# Altium PCB n21-evt.PcbDoc (part 1 of 3) (continued)
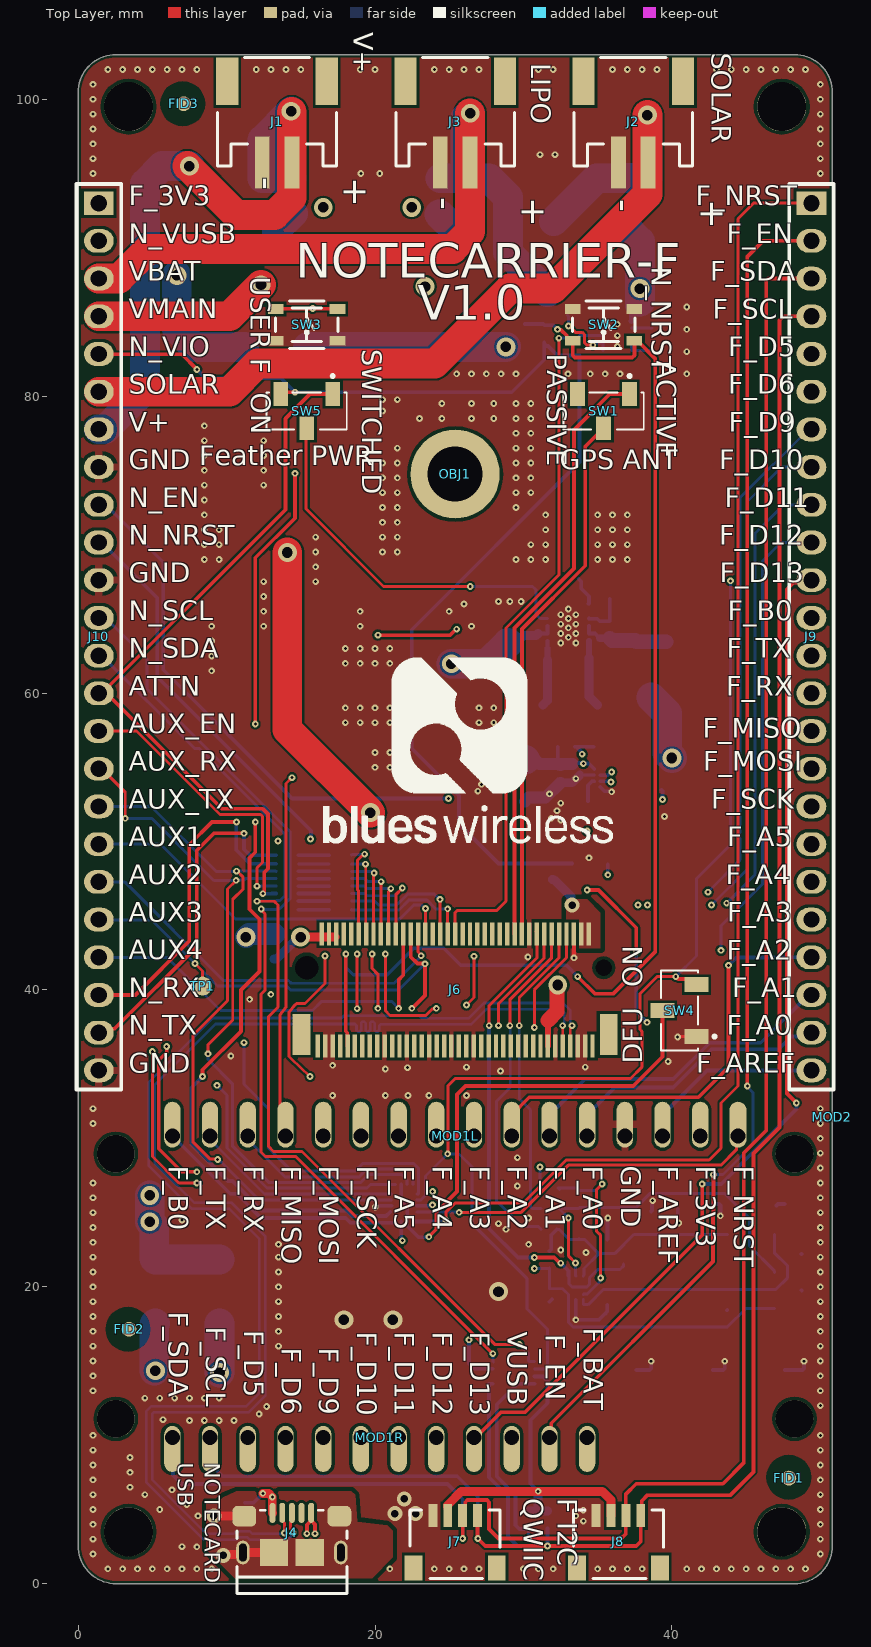
[diagram p0: Top Layer view]
## Components (designator, comment, footprint, x,y, rotation, side; value= is the part's Value field where it differs from the comment) (continued)
SW2 "PTS810SJK250SMTRLFS" "C&K PTS810" 35.4,84.8 r180 top
SW3 "PTS810 SJM 250 SMTR LFS" "C&K PTS810" 15.4,84.8 r180 top locked
SW4 "CJS-1200TA" SW_CJS-1200TA 40.513,38.608 r90 top
SW5 "CJS-1200TA" SW_CJS-1200TA 15.4,78.994 r180 top locked
TP1 "TESTPAD" TESTPAD_127 8.382,40.259 r90 top
TVS1 "SM6T6V8A" SMB 19.685,91.059 r90 bottom
TVS2 "PESD5V0L5UV,125" SOT666 33.528,19.939 r180 bottom
U1 "TPS62748YFPT" TPS62748YFPT-DSBGA4x2 35.179,54.864 r180 bottom
U2 "BQ24210DQCT" WSON10-EXP 36.322,84.074 r180 bottom
U3 "TPS63020DSJR" "TI PVSON-14 DSJ" 33.02,64.516 r180 bottom
U4 "TXS0102DCUR" SOP50P310X90-8N 29.337,14.224 r0 bottom
U5 "MAX17225ELT+" MAX17225ELT+UDFN 36.337,48.462 r90 bottom
U6 "DGQ2788AEN-T1-GE4" QFN40P260X180X60-16N 21.971,25.654 r0 bottom

## Footprints (in the part's own frame and the unit in brackets; to place one, negate y for a bottom-side part, rotate by r counter-clockwise, add the part's x,y. Pads: shape width x height; smd on the part's side, far side on the other; paste and mask are expansions set on the pad)
12PIN_254MM [mm]
  rrect100% 1.1x3.1 hole 1 copper offset 0,0.762: 1(0,0) 2(2.54,0) 3(5.08,0) 4(7.62,0) 5(10.16,0) 6(12.7,0) 7(15.24,0) 8(17.78,0) 9(20.32,0) 10(22.86,0) 11(25.4,0) 12(27.94,0)
  body extent -1.27,-1.52 29.21,1.52, height 5.09
16PIN_254MM [mm]
  rrect100% 1.16x3.1 hole 1 copper offset 0,-0.762: 1(0,0)
  rrect100% 1.1x3.1 hole 1 copper offset 0,-0.762: 2(2.54,0) 3(5.08,0) 4(7.62,0) 5(10.16,0) 6(12.7,0) 7(15.24,0) 8(17.78,0) 9(20.32,0) 10(22.86,0) 11(25.4,0) 12(27.94,0) 13(30.48,0) 14(33.02,0) 15(35.56,0) 16(38.1,0)
  body extent -1.27,-1.52 39.37,1.52, height 5.09
1285AS-H-2R2M=P2-INDC2016X100N [mm]
  rect 1.2x1.82 smd: 1(-0.86,0) 2(0.86,0)
  body extent -1,-0.8 1,0.8, height 1.2
BLUES_WIRELESS_SWAN_2-54_HEADERS [mm]
"C&K PTS810" [mm] "T-Switch, 4-leads, body 4.2x3.2mm, C&K PTS810 SJM 250 SMTR LFS"
  rect 1.05x0.65 smd mask+0.1: 1(-2.075,1.075) 2(2.075,1.075) 3(-2.075,-1.075) 4(2.075,-1.075)
  silkscreen extent -2.1,-1.6 2.1,1.6, body extent -2.29,-1.6 2.29,1.6, height 2.7
"CAP 0402_1005" [mm] "Chip Capacitor, 2-Leads, Body 1.02x0.51mm, IPC Medium Density"
  rect 0.6x0.64 smd: 1(-0.44,0) 2(0.44,0)
  silkscreen extent -1,-0.5 1,0.5, body extent -0.5,-0.26 0.5,0.26, height 0.52
"CAP 0603_1608" [mm] "Chip Capacitor, 2-Leads, Body 1.60x0.80mm, IPC Medium Density"
  rect 0.9x1 smd: 1(-0.675,0) 2(0.675,0)
  silkscreen extent -1.4,-0.7 1.4,0.7, body extent -0.8,-0.41 0.8,0.41, height 0.82
"CAP 1206_3216 - 0.8MM" [mm] "Chip Capacitor, 2-Leads, Body 3.25x1.60mm, IPC Medium Density"
  rect 1.3x1.8 smd: 1(-1.45,0) 2(1.45,0)
  silkscreen extent -2.37,-1.12 2.37,1.12, body extent -1.6,-0.8 1.6,0.8, height 0.8
"CAP 1210_3225 - 2.8MM" [mm] "Chip Capacitor, 2-Leads, Body 3.20x2.50mm, IPC Medium Density"
  rect 1.3x2.7 smd: 1(-1.4,0) 2(1.4,0)
  silkscreen extent -2.37,-1.63 2.37,1.63, body extent -1.6,-1.25 1.6,1.25, height 2.8
"CAP FILM 0805" [mm] "J2, Film Capacitor PPS , 2-Leads, Body 2.00x1.25mm, IPC Medium Density"
  rect 0.85x1.1 smd: 1(-0.925,0) 2(0.925,0)
  silkscreen extent -1.55,-0.82 1.55,0.82, body extent -1,-0.62 1,0.62, height 1.2
CES-124-01-S-S [mm] "24x1 0.1\" female headers"
  rect 2x1.6 hole 1.1: 1(0,0)
  oval 2x1.6 hole 1.1: 2(0,-2.54) 3(0,-5.08) 4(0,-7.62) 5(0,-10.16) 6(0,-12.7) 7(0,-15.24) 8(0,-17.78) 9(0,-20.32) 10(0,-22.86) 11(0,-25.4) 12(0,-27.94) 13(0,-30.48) 14(0,-33.02) 15(0,-35.56) 16(0,-38.1) 17(0,-40.64) 18(0,-43.18) 19(0,-45.72) 20(0,-48.26) 21(0,-50.8) 22(0,-53.34) 23(0,-55.88) 24(0,-58.42)
  silkscreen extent -1.5,-59.7 1.5,1.3, body extent -1.52,-59.7 1.52,1.26, height 5.09
DIST-WASMSIM0250 [mm]
  round 6 / inner round 1.524 / far side round 6 hole 3.7: 1(0,0)
  body extent -2.55,-2.55 2.55,2.55, height 2.5
"DO214AA SMB" [mm] "Molded Diode, 2-Leads, Body 4.31x3.62mm, IPC Medium Density"
  rect 2.45x2.15 smd: 1(-2.15,0) 2(2.15,0)
  silkscreen extent -3.6,-1.8 3.8,1.8, body extent -2.6,-1.8 2.6,1.8, height 2.4
"FCI USB 10118193-0001LF" [mm] "USB 2.0 Type B Micro"
  oval 0.4x1.35 smd: 1(1.3,-2.625) 2(0.65,-2.625) 3(0,-2.625) 4(-0.65,-2.625) 5(-1.3,-2.625)
  oval 0.9x1.6 hole 0.5 slot 1.2 at 90 deg: S(-3.3,0.05) S(3.3,0.05)
  rrect50% 1.6x1.4 smd: S(-3.2,-2.4) S(3.2,-2.4)
  rect 1.9x1.8 smd: S(-1.2,0.05) S(1.2,0.05)
  silkscreen extent -3.7,-2.8 3.7,2.8, body extent -3.93,-2.9 3.93,2.76, height 2.78
FIDUCIAL [mm]
  round 1 smd paste-1 mask+1: 1(0,0)
FS-0603 [mm]
  rect 0.7x1 smd: 1(-0.85,0) 2(0.85,0)
  body extent -0.8,-0.43 0.8,0.43, height 0.86
IND_XFL4020-222MEC [mm]
  rect 0.98x3.4 smd: 1(-1.185,0) 2(1.185,0)
  silkscreen extent -2.8,-2 2,2
J-75-0050-MOS-M2 [mm]
  rect 0.3x1.55 smd: 1(-9.25,3.775) 2(-9,-3.775) 3(-8.75,3.775) 4(-8.5,-3.775) 5(-8.25,3.775) 6(-8,-3.775) 7(-7.75,3.775) 8(-7.5,-3.775) 9(-7.25,3.775) 10(-7,-3.775) 11(-6.75,3.775) 12(-6.5,-3.775) 13(-6.25,3.775) 14(-6,-3.775) 15(-5.75,3.775) 16(-5.5,-3.775) 17(-5.25,3.775) 18(-5,-3.775) 19(-4.75,3.775) 20(-4.5,-3.775) 21(-4.25,3.775) 22(-4,-3.775) 23(-3.75,3.775) 24(-3.5,-3.775) 25(-3.25,3.775) 26(-3,-3.775) 27(-2.75,3.775) 28(-2.5,-3.775) 29(-2.25,3.775) 30(-2,-3.775) 31(-1.75,3.775) 32(-1.5,-3.775) 33(-1.25,3.775) 34(-1,-3.775) 35(-0.75,3.775) 36(-0.5,-3.775) 37(-0.25,3.775) 38(0,-3.775) 39(0.25,3.775) 40(0.5,-3.775) 41(0.75,3.775) 42(1,-3.775) 43(1.25,3.775) 44(1.5,-3.775) 45(1.75,3.775) 46(2,-3.775) 47(2.25,3.775) 48(2.5,-3.775) 49(2.75,3.775) 50(3,-3.775) 51(3.25,3.775) 52(3.5,-3.775) 53(3.75,3.775) 54(4,-3.775) 55(4.25,3.775) 56(4.5,-3.775) 57(4.75,3.775) 58(5,-3.775) 59(5.25,3.775) 60(5.5,-3.775) 61(5.75,3.775) 62(6,-3.775) 63(6.25,3.775) 64(6.5,-3.775) 65(6.75,3.775) 66(7,-3.775) 67(7.25,3.775) 68(7.5,-3.775) 69(7.75,3.775) 70(8,-3.775) 71(8.25,3.775) 72(8.5,-3.775) 73(8.75,3.775) 74(9,-3.775) 75(9.25,3.775)
  round 1 hole 1.1 unplated: AH(-10,-1.5)
  round 1 hole 1.6 unplated: AH(10,-1.5)
  rect 1.2x2.75 smd: ""(-10.35,3) ""(10.35,3)
  body extent -10.95,-4.37 10.95,4.33, height 4.1
J-NANOSIM-SF72S006VBA [mm]
  rect 0.9x0.7 smd: 1(1.46,-4.05) 2(-0.98,-4.05) 3(-3.42,-4.05) 5(1.56,-0.88) 6(-0.98,-0.88) 7(-3.52,-0.88)
  rect 0.45x2.9 smd: 8(-5.575,-4.75) 17(5.6,-4.75)
  rect 0.45x1.9 smd: 9(-5.575,0.1) 16(5.6,0.1)
  rect 0.7x0.7 smd: 10(-5.25,2.45)
  rect 0.75x0.7 smd: 11(-5.075,4.25)
  rect 1.4x0.5 smd: 12(-3.18,7.2) 14(1.22,7.2)
  rect 1.2x0.65 smd: 13(-1.53,6.125)
  rect 0.45x2.4 smd: 15(5.6,5.25)
  rect 0.6x0.6 smd: 18(0.24,-5.9) 19(-2.2,-5.9)
  body extent -5.58,-7.43 5.64,7.62, height 1.25
"JST S2B-PH-SM4-TB" [mm] "JST PH Series 2mm pitch, side entry connector"
  rect 1x3.5 smd: 1(-1,-4.25) 2(1,-4.25)
  rect 1.5x3.2 smd: M(-3.35,1.2) M(3.35,1.2)
  silkscreen extent -4,-4.5 4,2.8, body extent -3.95,-5.6 3.95,3.01, height 5.6
"JST SM04B-SRSS-TB" [mm] "1.0mm pitch/Disconnectable Crimp style connector"
  rect 0.6x1.55 smd: 1(-1.5,-2.032) 2(-0.5,-2.032) 3(0.5,-2.032) 4(1.5,-2.032)
  rect 1.2x1.7 smd: M(-2.8,1.5) M(2.8,1.5)
  silkscreen extent -3.03,-2.41 3.03,2.2, body extent -3,-2.38 3,2.57, height 2.95
MAX17225ELT+UDFN [mm]
  rect 0.9x0.35 smd: 1(0.05,0)
  rect 0.8x0.35 smd: 2(0,-0.65) 3(0,-1.3) 4(1.83,-1.3) 5(1.83,-0.65) 6(1.83,0)
  silkscreen extent -0.88,-1.81 2.03,0.51, body extent -0.11,-1.68 1.94,0.38, height 0.79
QFN40P260X180X60-16N [mm]
  rrect25% 0.562x0.225 smd: 1(-0.795,0.6)
  rrect25% 0.463x0.22 smd: 2(-0.845,0.2) 3(-0.845,-0.2) 4(-0.845,-0.6) 9(0.845,-0.6) 10(0.845,-0.2) 11(0.845,0.2) 12(0.845,0.6)
  rrect25% 0.22x0.463 smd: 5(-0.6,-1.245) 6(-0.2,-1.245) 7(0.2,-1.245) 8(0.6,-1.245) 13(0.6,1.245) 14(0.2,1.245) 15(-0.2,1.245) 16(-0.6,1.245)
  silkscreen extent -1.98,-1.3 1.02,1.3
"RES 0402_1005" [mm] "Chip Resistor, 2-Leads, Body 1.0x0.5mm, IPC Medium Density"
  rect 0.75x0.6 smd: 1(-0.575,0) 2(0.575,0)
  silkscreen extent -1.14,-0.51 1.14,0.51, body extent -0.5,-0.25 0.5,0.25, height 0.35
"RES 1206_3216" [mm] "Chip Resistor, 2-Leads, Body 3.13x1.55mm, IPC Medium Density"
  rect 1.2x1.65 smd: 1(-1.4,0) 2(1.4,0)
  silkscreen extent -2.3,-1.1 2.3,1.1, body extent -1.6,-0.8 1.6,0.8, height 0.6
"RESNET 1506-16 CONVEX" [mm] "Array Chip Resistor, 16 leads, 8 resistors, Body 3.8x1.6mm Height 0.55mm"
  rect 0.5x0.425 smd mask+0.032: 1(-0.75,1.837) 8(-0.75,-1.837) 9(0.75,-1.837) 16(0.75,1.837)
  rect 0.5x0.25 smd mask+0.032: 2(-0.75,1.25) 4(-0.75,0.25) 5(-0.75,-0.25) 6(-0.75,-0.75) 7(-0.75,-1.25) 10(0.75,-1.25) 11(0.75,-0.75) 12(0.75,-0.25) 13(0.75,0.25) 15(0.75,1.25)
  rect 0.5x0.25 smd paste+0 mask+0.032: 3(-0.75,0.75) 14(0.75,0.75)
  silkscreen extent -1.2,-2.3 1.2,2.3, body extent -0.82,-1.95 0.83,1.95, height 0.51
SMB [mm] "DO-214-AA/SMB; 2 C-Bend Leads; Body 5.3 x 3.6 mm, inc. leads (LxW)"
  rect 2.3x2.3 smd: 1(-2.25,0) 2(2.25,0)
  silkscreen extent -3.8,-1.55 4.1,1.55
SOP50P310X90-8N [mm]
  rrect25% 1.12x0.27 smd: 1(-1.405,0.75) 2(-1.405,0.25) 3(-1.405,-0.25) 4(-1.405,-0.75) 5(1.405,-0.75) 6(1.405,-0.25) 7(1.405,0.25) 8(1.405,0.75)
  silkscreen extent -2.62,-1.2 1.15,1.2, body extent -1.55,-1 1.55,1, height 0.9
SOT666 [mm]
  rect 0.3x0.99 smd: 1(-0.5,-0.805) 2(0,-0.805) 3(0.5,-0.805) 4(0.5,0.805) 5(0,0.805) 6(-0.5,0.805)
  silkscreen extent -0.8,-1.7 -0.6,-1.7, body extent -0.79,-0.8 0.8,0.8, height 0.6
SW_CJS-1200TA [mm]
  rect 1x1.6 smd: 1(-1.75,-1.15) 2(0,1.15) 3(1.75,-1.15)
  silkscreen extent -2.7,-2.46 2.7,1.25, body extent -2.7,-1.4 2.7,1.4, height 2.5
TESTPAD_127 [mm]
  round 1.27 smd: 1(0,0)
"TI PVSON-14 DSJ" [mm] "VSON, 14-Leads, Body 3.00x4.00mm, Pitch 0.50mm, Thermal Pad 1.58x2.85mm, IPC Medium Density"
  oval 0.6x0.24 smd: 1(-1.4,1.5) 2(-1.4,1) 3(-1.4,0.5) 4(-1.4,0) 5(-1.4,-0.5) 6(-1.4,-1) 7(-1.4,-1.5) 8(1.4,-1.5) 9(1.4,-1) 10(1.4,-0.5) 11(1.4,0) 12(1.4,0.5) 13(1.4,1) 14(1.4,1.5)
  rect 0.2x0.775 smd: 15(-0.69,-1.8) 15(-0.69,1.8) 15(-0.23,-1.8) 15(-0.23,1.8) 15(0.23,-1.8) 15(0.23,1.8) 15(0.69,-1.8) 15(0.69,1.8)
  rect 1.58x2.85 smd: 15(0,0)
  silkscreen extent -2.23,-2.2 1.6,2.21, body extent -1.58,-2.07 1.58,2.08, height 1
TO277-3#1 [mm]
  rect 1.45x1.15 smd: 1(0.985,-2.75) 2(-0.985,-2.75)
  rect 4.15x4.65 smd: 3(0,1)
  body extent -2.31,-3.32 2.32,3.33, height 1.2
TO277-3#2 [mm]
  rect 1.45x1.15 smd: 1(0.985,-2.75) 2(-0.985,-2.75)
  rect 4.15x4.65 smd: 3(-0.127,1)
  body extent -2.31,-3.32 2.32,3.33, height 1.2
TPS62748YFPT-DSBGA4x2 [mm]
  round 0.245 smd: A1(0,0) A2(0.4,0) B1(0,-0.4) B2(0.4,-0.4) C1(0,-0.8) C2(0.4,-0.8) D1(0,-1.2) D2(0.4,-1.2)
  silkscreen extent -0.4,-1.6 0.8,0.4, body extent -0.3,-1.5 0.7,0.3, height 0.69
VCHA042A-1R5MS6 [mm] "1.5uH Precision Wire Wound Inductor, 2-Leads, Body 4.20x4.00mm, IPC Medium Density"
  rect 2.2x3.5 smd: 1(-1.85,0) 2(1.85,0)
  silkscreen extent -2.25,-2.15 2.25,2.15, body extent -2.2,-2 2.2,2, height 2.2
WSON10-EXP [mm]
  rect 0.5x0.25 smd: 1(-0.95,1) 2(-0.95,0.5) 3(-0.95,0) 4(-0.95,-0.5) 5(-0.95,-1) 6(0.95,-1) 7(0.95,-0.5) 8(0.95,0) 9(0.95,0.5) 10(0.95,1)
  rect 0.84x2.4 smd: 11(0,0)
  body extent -1,-1.5 1,1.5, height 0.8

## Part data
C1: library part CL31A106KAHNNNE, "CAP CER 10UF 25V X5R 1206", Device Package="1206 (3216 Metric)", Manufacturer="Samsung Electro-Mechanics", Operating Temperature="-55°C ~ 85°C", Supplier Part Number 1=1276-1075-1-ND, Temperature Coefficient=X5R, Tolerance=±10%, Voltage - Rated=25V, Applications="General Purpose", Capacitance="10 µF", ComponentLink1Description=Datasheet, ComponentLink1URL=http://www.samsungsem.com/kr/support/product-search/mlcc/CL31A106KAHNNNE.jsp, ComponentLink2Description="DigiKey Link", ComponentLink2URL=https://www.digikey.com/en/products/detail/samsung-electro-mechanics/CL31A106KAHNNNE/3886733, LastUpdated="3/13/2022 5:23:44 AM", Lifecycle Status=Active, Minimum Order=1, Mounting Type="Surface Mount, MLCC", Package / Case="1206 (3216 Metric)", Packaging=TapeAndReel, Part Number=CL31A106KAHNNNE, Part Status=Active, PartId=21774, Price=0.03, Series=CL, Size / Dimension="0.126\" L x 0.063\" W (3.20mm x 1.60mm)", Supplier 1=DigiKey, Thickness (Max)="0.071\" (1.80mm)"
C2: library part CL05A105KO5NNNC, "CAP CER 1UF 16V X5R 0402", Device Package="0402 (1005 Metric)", Manufacturer="Samsung Electro-Mechanics", Operating Temperature="-55°C ~ 85°C", Supplier Part Number 1=1276-1067-1-ND, Temperature Coefficient=X5R, Tolerance=±10%, Voltage - Rated=16V, Applications="General Purpose", Capacitance="1 µF", ComponentLink1Description=Datasheet, ComponentLink1URL=http://www.samsungsem.com/kr/support/product-search/mlcc/CL05A105KO5NNNC.jsp, ComponentLink2Description="DigiKey Link", ComponentLink2URL=https://www.digikey.com/en/products/detail/samsung-electro-mechanics/CL05A105KO5NNNC/3886725, LastUpdated="3/13/2022 5:15:31 AM", Lifecycle Status=Active, Minimum Order=1, Mounting Type="Surface Mount, MLCC", Package / Case="0402 (1005 Metric)", Packaging=TapeAndReel, Part Number=CL05A105KO5NNNC, Part Status=Active, PartId=3120, Price=0.01, Series=CL, Size / Dimension="0.039\" L x 0.020\" W (1.00mm x 0.50mm)", Supplier 1=DigiKey, Thickness (Max)="0.022\" (0.55mm)"
C3 C5 C9 C10 C18 C19 C21 C25: library part CL05B104KO5NNNC, "CAP CER 0.1UF 16V X7R 0402", Device Package="0402 (1005 Metric)", Manufacturer="Samsung Electro-Mechanics", Operating Temperature="-55°C ~ 125°C", Supplier Part Number 1=1276-1001-1-ND, Temperature Coefficient=X7R, Tolerance=±10%, Voltage - Rated=16V, Applications="General Purpose", ComponentLink1Description=Datasheet, ComponentLink1URL=http://www.samsungsem.com/kr/support/product-search/mlcc/CL05B104KO5NNNC.jsp, ComponentLink2Description="DigiKey Link", Lifecycle Status=Active, Minimum Order=1, Mounting Type="Surface Mount, MLCC", Package / Case="0402 (1005 Metric)", Packaging=CutTape, Part Number=CL05B104KO5NNNC, Part Status=Active, PartId=6066, Series=CL, Size / Dimension="0.039\" L x 0.020\" W (1.00mm x 0.50mm)", Supplier 1=DigiKey, Thickness (Max)="0.022\" (0.55mm)"
  C3 C10 C18 C19 C21 C25: Capacitance="0.1 µF", ComponentLink2URL=https://www.digikey.com/en/products/detail/samsung-electro-mechanics/CL05B104KO5NNNC/3886659, LastUpdated="3/13/2022 5:15:23 AM", Price=0.01
  C5 C9: Capacitance=0.1µF, ComponentLink2URL=http://digikey.com/product-detail/en/samsung-electro-mechanics/CL05B104KO5NNNC/1276-1001-1-ND/3889087, LastUpdated="9/2/2020 1:02:15 AM", Price=0.10
C4: library part CS1206KKX7RCBB103, "CAP CER 10000PF 1KV X7R 1206", Device Package="1206 (3216 Metric)", Manufacturer=Yageo, Operating Temperature="-55°C ~ 125°C", Supplier Part Number 1=311-3578-1-ND, Temperature Coefficient=X7R, Tolerance=±10%, Voltage - Rated="1000V (1kV)", Applications="Boardflex Sensitive", Capacitance="10000 pF", ComponentLink1Description=Datasheet, ComponentLink1URL=http://www.yageo.com/NewPortal/yageodocoutput?fileName=/pdf/MLCC/UPY-ST_NPOX7R_16V-to-3KV_5.pdf, ComponentLink2Description="DigiKey Link", ComponentLink2URL=https://www.digikey.com/en/products/detail/yageo/CS1206KKX7RCBB103/6098026, Features="Soft Termination", LastUpdated="3/13/2022 5:23:50 AM", Lifecycle Status=Active, Minimum Order=1, Mounting Type="Surface Mount, MLCC", Package / Case="1206 (3216 Metric)", Packaging=TapeAndReel, Part Number=CS1206KKX7RCBB103, Part Status=Active, PartId=21090, Price=0.08, Series=CS, Size / Dimension="0.126\" L x 0.063\" W (3.20mm x 1.60mm)", Supplier 1=DigiKey, Thickness (Max)="0.057\" (1.45mm)"
C6 C7 C8: library part CL05C330JB5NNNC, "CAP CER 33PF 50V C0G/NP0 0402", Device Package="0402 (1005 Metric)", Manufacturer="Samsung Electro-Mechanics", Operating Temperature="-55°C ~ 125°C", Supplier Part Number 1=1276-1272-1-ND, Temperature Coefficient="C0G, NP0", Tolerance=±5%, Voltage - Rated=50V, Applications="General Purpose", Capacitance=33pF, ComponentLink1Description=Datasheet, ComponentLink1URL=http://www.samsungsem.com/kr/support/product-search/mlcc/CL05C330JB5NNNC.jsp, ComponentLink2Description="DigiKey Link", ComponentLink2URL=http://digikey.com/product-detail/en/samsung-electro-mechanics/CL05C330JB5NNNC/1276-1272-1-ND/3889358, LastUpdated="9/2/2020 1:02:02 AM", Lifecycle Status=Active, Minimum Order=1, Mounting Type="Surface Mount, MLCC", Package / Case="0402 (1005 Metric)", Packaging=CutTape, Part Number=CL05C330JB5NNNC, Part Status=Active, PartId=11655, Price=0.10, Series=CL, Size / Dimension="0.039\" L x 0.020\" W (1.00mm x 0.50mm)", Supplier 1=DigiKey, Thickness (Max)="0.022\" (0.55mm)"
C11 C14 C15 C20: library part GRJ155R60J106ME11D, "CAP CER 10UF 6.3V X5R 0402", Device Package="0402 (1005 Metric)", Manufacturer="Murata Electronics", Operating Temperature="-55°C ~ 85°C", Supplier Part Number 1=490-13211-1-ND, Temperature Coefficient=X5R, Tolerance=±20%, Voltage - Rated=6.3V, Applications="Boardflex Sensitive", Capacitance="10 µF", ComponentLink1Description=Datasheet, ComponentLink1URL=https://psearch.en.murata.com/capacitor/product/GRJ155R60J106ME11%23.pdf, ComponentLink2Description="DigiKey Link", ComponentLink2URL=https://www.digikey.com/en/products/detail/murata-electronics/GRJ155R60J106ME11D/5877374, Features="Soft Termination", LastUpdated="3/13/2022 5:15:21 AM", Lifecycle Status=Active, Minimum Order=1, Mounting Type="Surface Mount, MLCC", Package / Case="0402 (1005 Metric)", Packaging=TapeAndReel, Part Number=GRJ155R60J106ME11D, Part Status=Active, PartId=6740, Price=0.02, Series=GRJ, Size / Dimension="0.039\" L x 0.020\" W (1.00mm x 0.50mm)", Supplier 1=DigiKey, Thickness (Max)="0.028\" (0.70mm)"
C12: library part 1210YD476KAT2A, "CAP CER 47UF 16V X5R 1210", Device Package="1210 (3225 Metric)", Manufacturer="AVX Corporation", Operating Temperature="-55°C ~ 85°C", Supplier Part Number 1=478-11989-1-ND, Temperature Coefficient=X5R, Tolerance=±10%, Voltage - Rated=16V, Applications="General Purpose", Capacitance=47µF, ComponentLink1Description=Datasheet, ComponentLink1URL=http://datasheets.avx.com/cx5r.pdf, ComponentLink2Description="DigiKey Link", ComponentLink2URL=http://digikey.com/product-detail/en/avx-corporation/1210YD476KAT2A/478-11989-1-ND/8573625, LastUpdated="9/2/2020 1:10:52 AM", Lifecycle Status=Active, Minimum Order=1, Mounting Type="Surface Mount, MLCC", Package / Case="1210 (3225 Metric)", Packaging=TapeAndReel, Part Number=1210YD476KAT2A, Part Status=Active, PartId=23691, Price=0.60, Series=-, Size / Dimension="0.132\" L x 0.098\" W (3.35mm x 2.50mm)", Supplier 1=DigiKey, Thickness (Max)="0.110\" (2.80mm)"
C13: library part 06036D475KAT4A, "CAP CER 4.7UF 6.3V X5R 0603", Device Package="0603 (1608 Metric)", Manufacturer="AVX Corporation", Operating Temperature="-55°C ~ 85°C", Supplier Part Number 1=478-10813-1-ND, Temperature Coefficient=X5R, Tolerance=±10%, Voltage - Rated=6.3V, Applications="General Purpose", Capacitance=4.7µF, ComponentLink1Description=Datasheet, ComponentLink1URL=http://datasheets.avx.com/cx5r.pdf, ComponentLink2Description="DigiKey Link", ComponentLink2URL=http://digikey.com/product-detail/en/avx-corporation/06036D475KAT4A/478-10813-1-ND/7536337, LastUpdated="9/2/2020 1:03:34 AM", Lifecycle Status=Active, Minimum Order=1, Mounting Type="Surface Mount, MLCC", Package / Case="0603 (1608 Metric)", Packaging=TapeAndReel, Part Number=06036D475KAT4A, Part Status=Active, PartId=2929, Price=0.02, Series=-, Size / Dimension="0.063\" L x 0.032\" W (1.60mm x 0.81mm)", Supplier 1=DigiKey, Thickness (Max)="0.037\" (0.94mm)"
C16 C17: library part CL10A106KP8NNNC, "CAP CER 10UF 10V X5R 0603", Device Package="0603 (1608 Metric)", Manufacturer="Samsung Electro-Mechanics", Operating Temperature="-55°C ~ 85°C", Supplier Part Number 1=1276-1192-1-ND, Temperature Coefficient=X5R, Tolerance=±10%, Voltage - Rated=10V, Applications="General Purpose", Capacitance="10 µF", ComponentLink1Description=Datasheet, ComponentLink1URL=http://www.samsungsem.com/kr/support/product-search/mlcc/CL10A106KP8NNNC.jsp, ComponentLink2Description="DigiKey Link", ComponentLink2URL=https://www.digikey.com/en/products/detail/samsung-electro-mechanics/CL10A106KP8NNNC/3886850, LastUpdated="3/13/2022 5:18:34 AM", Lifecycle Status=Active, Minimum Order=1, Mounting Type="Surface Mount, MLCC", Package / Case="0603 (1608 Metric)", Packaging=TapeAndReel, Part Number=CL10A106KP8NNNC, Part Status=Active, PartId=12919, Price=0.02, Series=CL, Size / Dimension="0.063\" L x 0.031\" W (1.60mm x 0.80mm)", Supplier 1=DigiKey, Thickness (Max)="0.035\" (0.90mm)"
C22 C23 C24: library part CL21A226MOQNNNE, "贴片电容（MLCC） 22µF ±20% 16V X5R 0805", Case Code (Imperial)=0805, Case Code (Metric)=2012, Dielectric=X5R, Manufacturer=Samsung, Max Operating Temperature=85°C, Min Operating Temperature=-55°C, Package Quantity=1, Tolerance=20%, Voltage Rating=16V, Capacitance=22uF, Case/Package=0805, Category="Ceramic Capacitors", ComponentLink1Description=https://datasheet.ciiva.com/25724/cl21a226moqnnne-25724832.pdf?src-supplier=Digi-Key, ComponentLink1URL=https://datasheet.ciiva.com/25724/cl21a226moqnnne-25724832.pdf?src-supplier=Digi-Key, Construction=Flat, Contact Plating=Tin, Lead Free="Lead Free", Length=0.079inch, Manufacturer Part Number=CL21A226MOQNNNE, Mount="Surface Mount", Packaging="Cut Tape", Pricing 1="2000=0.03780, 4000=0.03726, 8000=0.03618, 12000=0.03537, 16000=0.03402 (USD)", RoHS=Yes, RoHS Compliant=Yes, Series=CL, Stock 1=752000, Supplier 1=Avnet, Supplier Part Number 1=CL21A226MOQNNNE, Termination=Wraparound, Thickness=0.055inch, Voltage Rating (DC)=16V, Width=0.049inch
DS1 DS2 DS4 DS5: library part "SCHOTTKY - FSV1045V - 10A/45V", "DIODO SCHOTTKY 10A 45V FSV1045V TO277-3 SMT", Supplier Part Number 1=FSV1045VCT-ND, Temp Range=-55°..+150°, Caratteristiche=10A/45V, Database=42269, Distributor=FAE, Famiglia=DIODO, Modello=SCHOTTKY, MPN=FSV1045V, PCB Footprint=TO277-3, Pkg Type=SMD, Price Distributor Cad=0,629, ROOM="SOLAR BATTERY CHARGER", Supplier 1=Digi-Key
DS3 DS6 DS7: "DIODE SCHOTTKY 100V 3A SMB", Current - Average Rectified (Io)=3A, Current - Reverse Leakage @ Vr="1 µA @ 100 V", Manufacturer=STMicroelectronics, Operating Temperature - Junction="175°C (Max)", Package / Case="DO-214AA, SMB", Supplier Device Package=SMB, Supplier Part Number 1=497-10392-1-ND, Voltage - DC Reverse (Vr) (Max)="100 V", Voltage - Forward (Vf) (Max) @ If="840 mV @ 3 A", ComponentLink1Description=Datasheet, ComponentLink1URL=//media.digikey.com/pdf/Data%20Sheets/ST%20Microelectronics%20PDFS/STPS3H100.pdf, ComponentLink2Description="DigiKey Link", ComponentLink2URL=https://www.digikey.com/en/products/detail/stmicroelectronics/STPS3H100U/2236916, Diode Type=Schottky, LastUpdated="5/12/2022 2:47:56 PM", Lifecycle Status=Active, Minimum Order=1, Mounting Type="Surface Mount", Packaging=TapeAndReel, Part Number=STPS3H100U, Part Status=Active, PartId=1551, Price=0.29, Series=-, Speed="Fast Recovery =< 500ns, > 200mA (Io)", Supplier 1=DigiKey
F1: library part "RAPIDO - SF-0603F150-2-1.5A/32V", "FUSIBILE RAPIDO 1.5A 32V 0603 SF-0603F150-2 BOURNS SMT", Temp Range=-40°..+105°, Caratteristiche=1.5A/32V, Database=32505, Distributor=FAE, Famiglia=FUSIBILE, Modello=RAPIDO, MPN=SF-0603F150-2, PCB Footprint=FS-0603, Pkg Type=SMD, Price Distributor Cad=0,1669
F2: library part "RAPIDO - 0603SFV350F- 3.5A/32V", "FUSIBILE RAPIDO 3.5A 32V 0603 0603SFV350F/32-2 LITTELFUSE SMT", MPN=0603SFV350F/32-2, Temp Range=-55°..+125°, Caratteristiche=3.5A/32V, Database=40054, Distributor=FAE, Famiglia=FUSIBILE, Modello=RAPIDO, PCB Footprint=FS-0603, Pkg Type=SMD, Price Distributor Cad=0,4034
FID1 FID2 FID3 FID4 FID5 FID6: library part FIDUCIAL, "FIDUCIAL", Distributor=FAE, PCB Footprint=FIDUCIAL, Pkg Type=SMD
J1 J2 J3: "PH SMT SIDE ENTRY HDR 2W", Color=Natural,White, Contact Resistance=20mR, Current Rating=2A, Flammability Rating="UL94 V-0", Housing Color=Beige, Insulation Color=Natural, Insulation Resistance=1GR, Manufacturer=JST, Max Operating Temperature=85°C, Max Voltage Rating (AC)=100V, Min Operating Temperature=-25°C, Supplier Part Number 1=455-1749-1-ND, Category=Connectors, ComponentLink1Description=https://datasheet.ciiva.com/712/eph-712514.pdf?src-supplier=Digi-Key, ComponentLink1URL=https://datasheet.ciiva.com/712/eph-712514.pdf?src-supplier=Digi-Key, Connector Type=Header, Contact Finish - Mating=TIN, Contact Material="Copper Alloy,Bronze,Tin,Brass", Contact Mating Length=0.13inch, Contact Plating=Tin,Copper, Contact Shape=Square, Contact Type="Male Pin", Depth=7.6mm, Fastening Type=Detent, Gender=Male, Height=9.4mm, Housing Material=Polyamide, Insulation Material=Nylon, Lead Free="Lead Free", Lead Pitch=2mm, Length=7.9mm, Manufacturer Part Number=S2BPHSM4TBLFSN, Max Current Rating=2A, Max Voltage Rating (DC)=100V, Mount="Surface Mount", Number of Contacts=2, Number of Poles=2, Number of Positions=2, Number of Rows=1, Orientation="Right Angle", Packaging="Tape and Reel", Pitch=2mm, REACH SVHC="No SVHC", RoHS=Yes, Series=PH, Supplier 1=Digi-Key, Termination=Solder, Voltage Rating=100V, Voltage Rating (AC)=100V, Width=5mm, Working Voltage=100V
J4: "CONN RCPT USB2.0 MICRO B SMD R/A", Current Rating (Amps)="1.8A per Contact", Manufacturer="Amphenol ICC (FCI)", Operating Temperature="-30°C ~ 80°C", Supplier Part Number 1=609-4616-2-ND, Voltage - Rated=100VAC, ComponentLink1Description=Datasheet, ComponentLink1URL=https://cdn.amphenol-icc.com/media/wysiwyg/files/documentation/datasheet/inputoutput/io_usb_micro.pdf, ComponentLink2Description="DigiKey Link", ComponentLink2URL=//digikey.com/product-detail/en/amphenol-icc-fci/10118193-0001LF/609-4616-2-ND/2785388, Connector Type="USB - micro B", Features="Solder Retention", Gender=Receptacle, LastUpdated="12/9/2019 8:51:28 PM", Lifecycle Status=0, Mating Cycles=10000, Minimum Order=1, Mounting Feature=Horizontal, Mounting Type="Surface Mount, Right Angle; Through Hole", Number of Contacts=5, Number of Ports=1, Packaging=TapeAndReel, Part Number=10118193-0001LF, Part Status=Active, Price=0.21, Series=-, Shielding=Shielded, Specifications="USB 2.0", Supplier 1=DigiKey, Termination=Solder
J5: library part "NANOSIM - J-NANOSIM-SF72S006VBA", "CONN. NANOSIM 8P F/90° PUSH-PUSH SF72S006VBAR2500 JAE ELECTRONICS SMT", Supplier Part Number 1=670-2967-1-ND, Temp Range=-25°..+85°, Database=41049, Distributor=FAE, Famiglia=CONNETTORE, Modello=NanoSIM, PCB Footprint=J-NANOSIM-SF72S006VBA, Pkg Type=SMD, Price Distributor Cad=0,7362, ROOM=NANO-SIM, Supplier 1=Digi-Key
J6: library part "AMPHENOL-75 - M-2 KEY E_13", "CONN. M.2 75P M/90° P=0.5 MDT420E01001 AMPHENOL SMT", Supplier Part Number 1=MDT420E03001CT-ND, Temp Range=-40°..+80°, Caratteristiche=75P, Distributor=D-MDT420E01001CT-ND, Famiglia=CONNETTORE, PCB Footprint=J-75-0050-MOS-M2-E, Pkg Type=SMD, Price Distributor Cad=1,21, ROOM="M2 CONNECTOR", Supplier 1=Digi-Key
J7 J8: "CONN HEADER SH 4POS SIDE 1MM TIN", Color=Natural, Contact Resistance=40mR, Housing Color=Beige, Manufacturer=JST, Max Current Rating=1A, Max Operating Temperature=85°C, Max Voltage Rating (AC)=50V, Min Operating Temperature=-25°C, Supplier Part Number 1=455-1804-1-ND, Category=Connectors, ComponentLink1Description=https://datasheet.ciiva.com/26894/getdatasheetpartid-640736-26894676.pdf?src-supplier=Verical, ComponentLink1URL=https://datasheet.ciiva.com/26894/getdatasheetpartid-640736-26894676.pdf?src-supplier=Verical, ComponentLink2Description=https://datasheet.ciiva.com/26894/getdatasheetpartid-499363-26894945.pdf?src-supplier=Verical, ComponentLink2URL=https://datasheet.ciiva.com/26894/getdatasheetpartid-499363-26894945.pdf?src-supplier=Verical, ComponentLink3Description=https://datasheet.ciiva.com/16487/jstsm04b-srss-tb-lf-sn-16487222.pdf?src-supplier=Future+Electronics, ComponentLink3URL=https://datasheet.ciiva.com/16487/jstsm04b-srss-tb-lf-sn-16487222.pdf?src-supplier=Future+Electronics, Connector Type="Male Pin", Contact Material="Copper Alloy", Contact Plating=Tin,Copper, Depth=4.95mm, Housing Material=Polyamide, Lead Free="Lead Free", Length=6mm, Manufacturer Part Number=SM04B-SRSS-TB(LF)(SN), Max Voltage Rating (DC)=50V, Mount="Surface Mount", Number of Contacts=4, Number of Positions=4, Number of Rows=1, Orientation="Right Angle", Packaging="Tape and Reel", Pitch=0.039inch, Pricing 1="1=0.57000, 10=0.49300, 100=0.40630, 500=0.35328, 1000=0.29146 (USD)", RoHS=Yes, Supplier 1=Digi-Key, Termination=Solder
J9: library part SIDECON, "24x1 0.1\" pitch half height female header", Supplier Part Number 1=SAM1085-24-ND, PN=DNM, Supplier 1=Digi-Key
J10: library part SIDECON_N, "24x1 0.1\" pitch half height female header", Supplier Part Number 1=SAM1085-24-ND, PN=DNM, Supplier 1=Digi-Key
L1: "Power inductor, shielded, 20% tol, SMT, RoHS, halogen free", Package=None, Availability=Unavailable, MF="{'manufacturer': u'Coilcraft'}", MP=XFL4020-222MEC, Price=None
L2: library part VCHA042A-1R5MS6, "Fixed Ind 1.5UH 7.3A 15.4 Mohm", Manufacturer=Cyntec, Supplier Part Number 1=2037-VCHA042A-1R5MS6CT-ND, Category="Fixed Inductors", Manufacturer Part Number=VCHA042A-1R5MS6, Pricing 1="1=1.40000, 10=1.29600, 25=1.19640, 50=0.99680, 100=0.93710, 250=0.83736, 500=0.71776, 1000=0.63800 (USD)", RoHS=Yes, Stock 1=1541, Supplier 1=Digi-Key
L3: "Inductor Power Shielded Wirewound 2.2uH 20% 1MHz Metal 1.2A 0.204Ohm DCR 0806 T/R", Case Code (Imperial)=0805, Case Code (Metric)=2012, Current Rating=1.5A, DC Resistance (DCR)=204mR, Inductance=2.2uH, Manufacturer=Murata, Manufacturer Part Number=1285AS-H-2R2M=P2, Max DC Current=1.2A, Max Operating Temperature=85°C, Min Operating Temperature=-40°C, Resistor Type="Wirewound,Metal Alloy", Supplier Part Number 1=490-10600-1-ND, Test Frequency=1MHz, Tolerance=20%, Case/Package=0805, Category="Fixed Inductors", ComponentLink1Description=http://www.toko.co.jp/products/pdf/inductors/dfe201610c.pdf?src-supplier=Avnet, ComponentLink1URL=http://www.toko.co.jp/products/pdf/inductors/dfe201610c.pdf?src-supplier=Avnet, ComponentLink2Description=https://www.murata.com/~/media/webrenewal/products/inductor/chip/tokoproducts/wirewoundmetalalloychiptype/m_dfe201610c.ashx?src-supplier=Digi-Key, ComponentLink2URL=https://www.murata.com/~/media/webrenewal/products/inductor/chip/tokoproducts/wirewoundmetalalloychiptype/m_dfe201610c.ashx?src-supplier=Digi-Key, Core Material=Ferrite, Depth=1.6mm, Height - Seated (Max)=0.039inch, Length=0.079inch, Mount="Surface Mount", Packaging="Tape and Reel", Pricing 1="1=0.40000, 10=0.35300, 25=0.30920, 50=0.26500, 100=0.24280, 250=0.22076, 500=0.20752, 1000=0.15895 (USD)", RoHS=Yes, RoHS Compliant=Yes, Shielding=Shielded, Stock 1=2212, Supplier 1=Digi-Key, Width=0.063inch